# Altium PCB P01-AUDIO.PcbDoc
Units mm, origin at the board's own origin, x right, y up, seen from the top; angles counter-clockwise.
Board outline 51.05 x 97.12 mm, 4 copper layers (Top Layer, Mid Layer 1, Mid Layer 2, Bottom Layer), stack 1.57 mm thick; 42 components, 37 nets, 196 pads, 80 vias.
Unrouted connection lines stored in the file: 10.
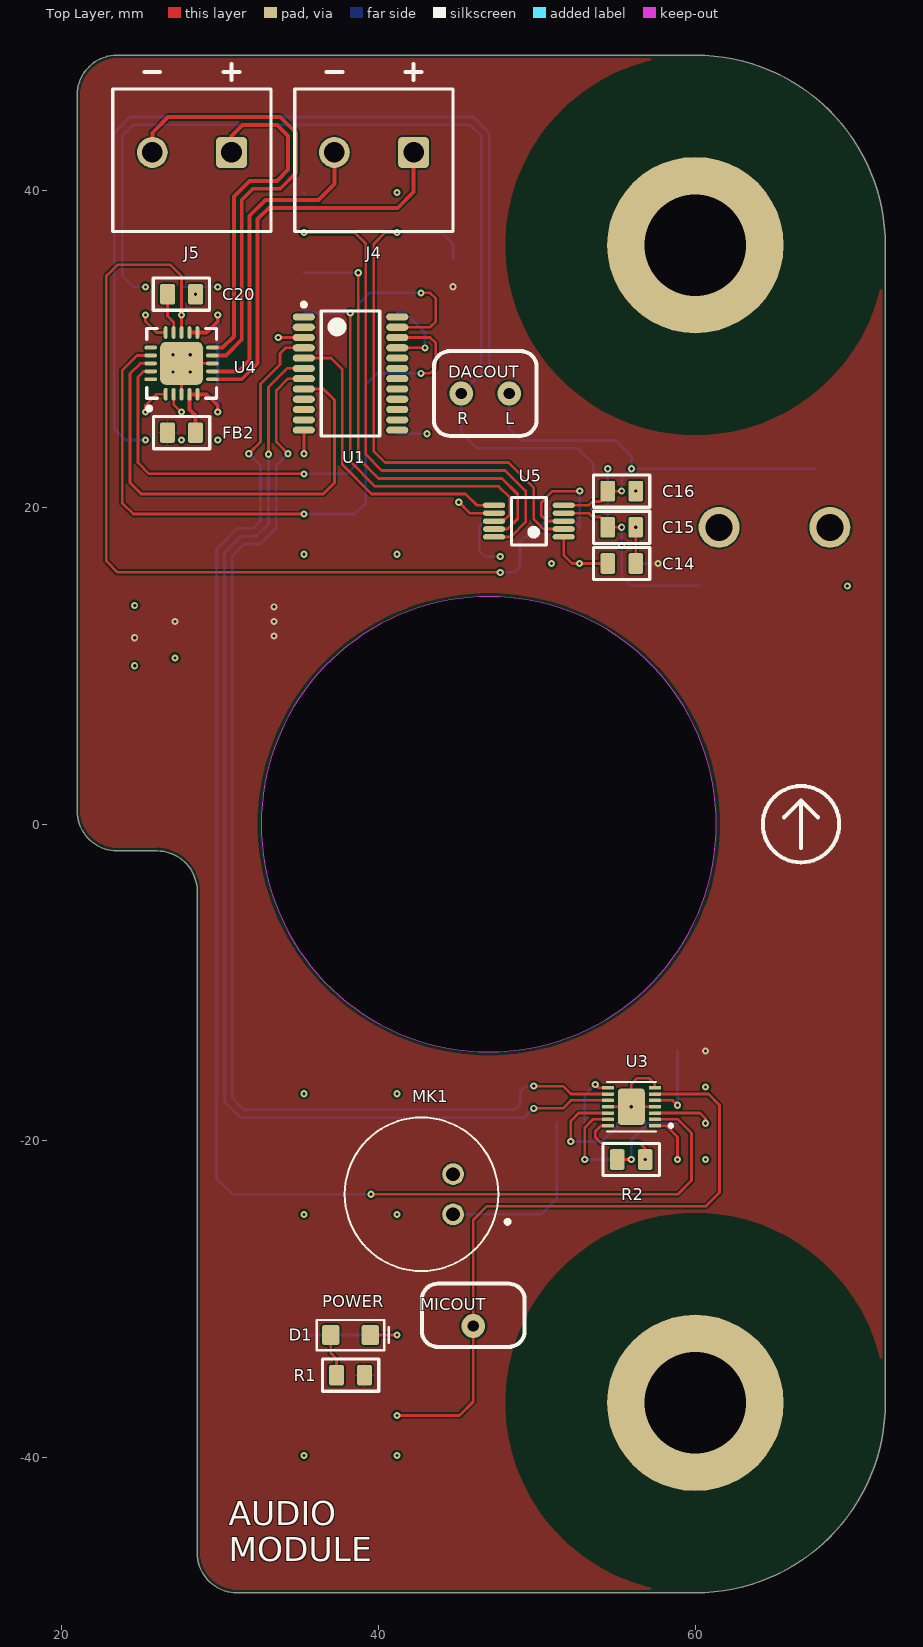
[diagram p0: Top Layer view]
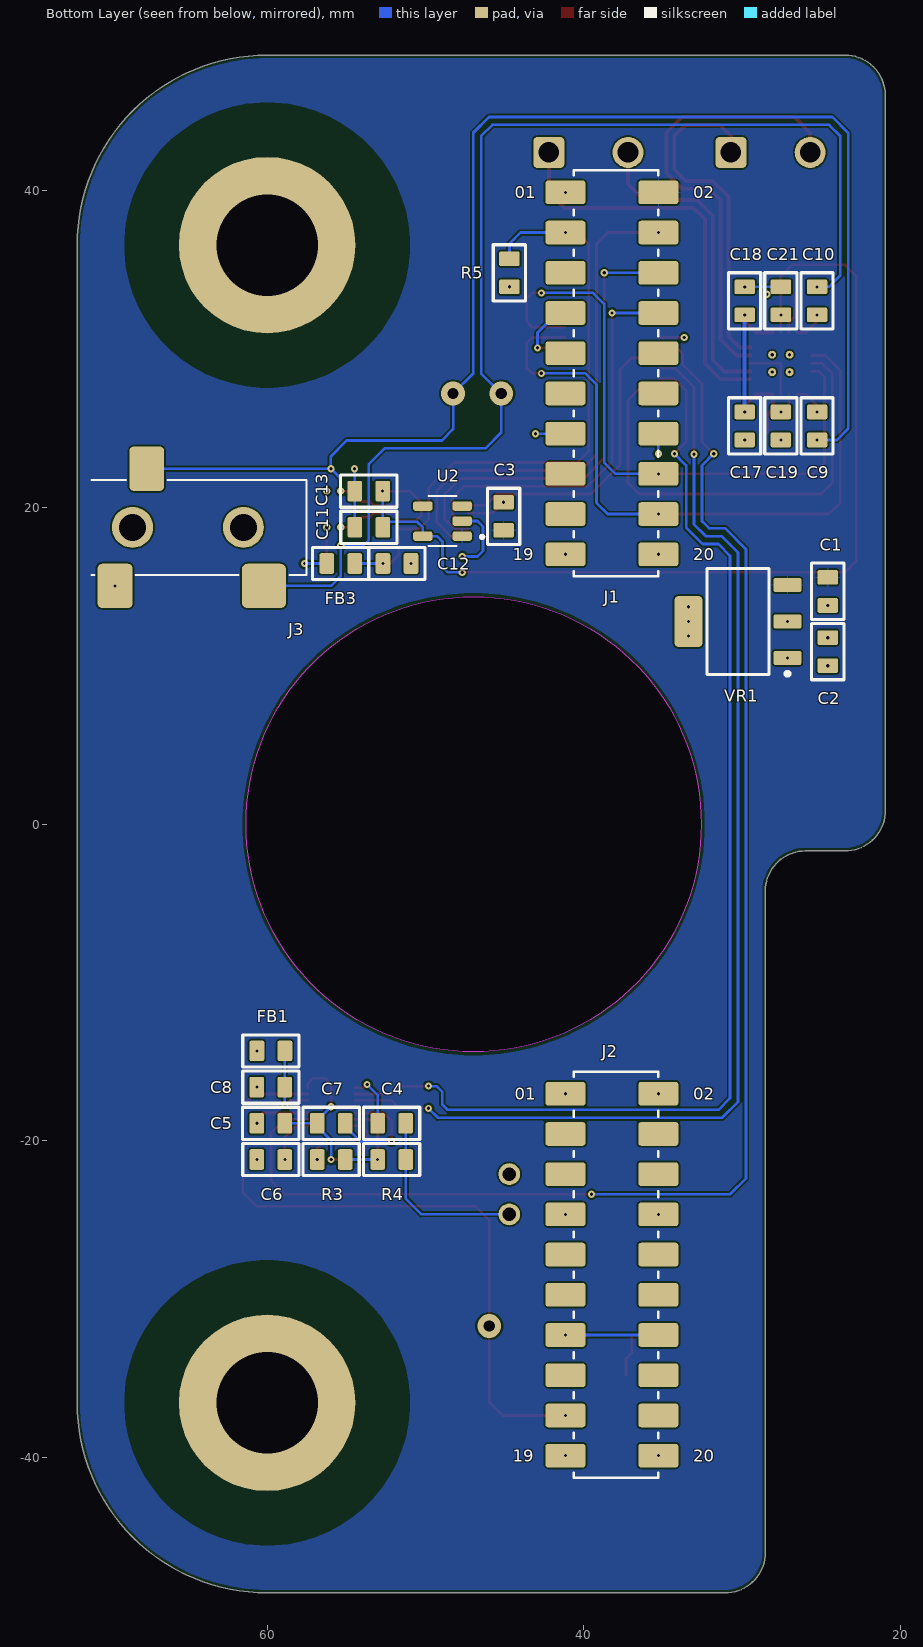
[diagram p1: Bottom Layer view, seen from below]
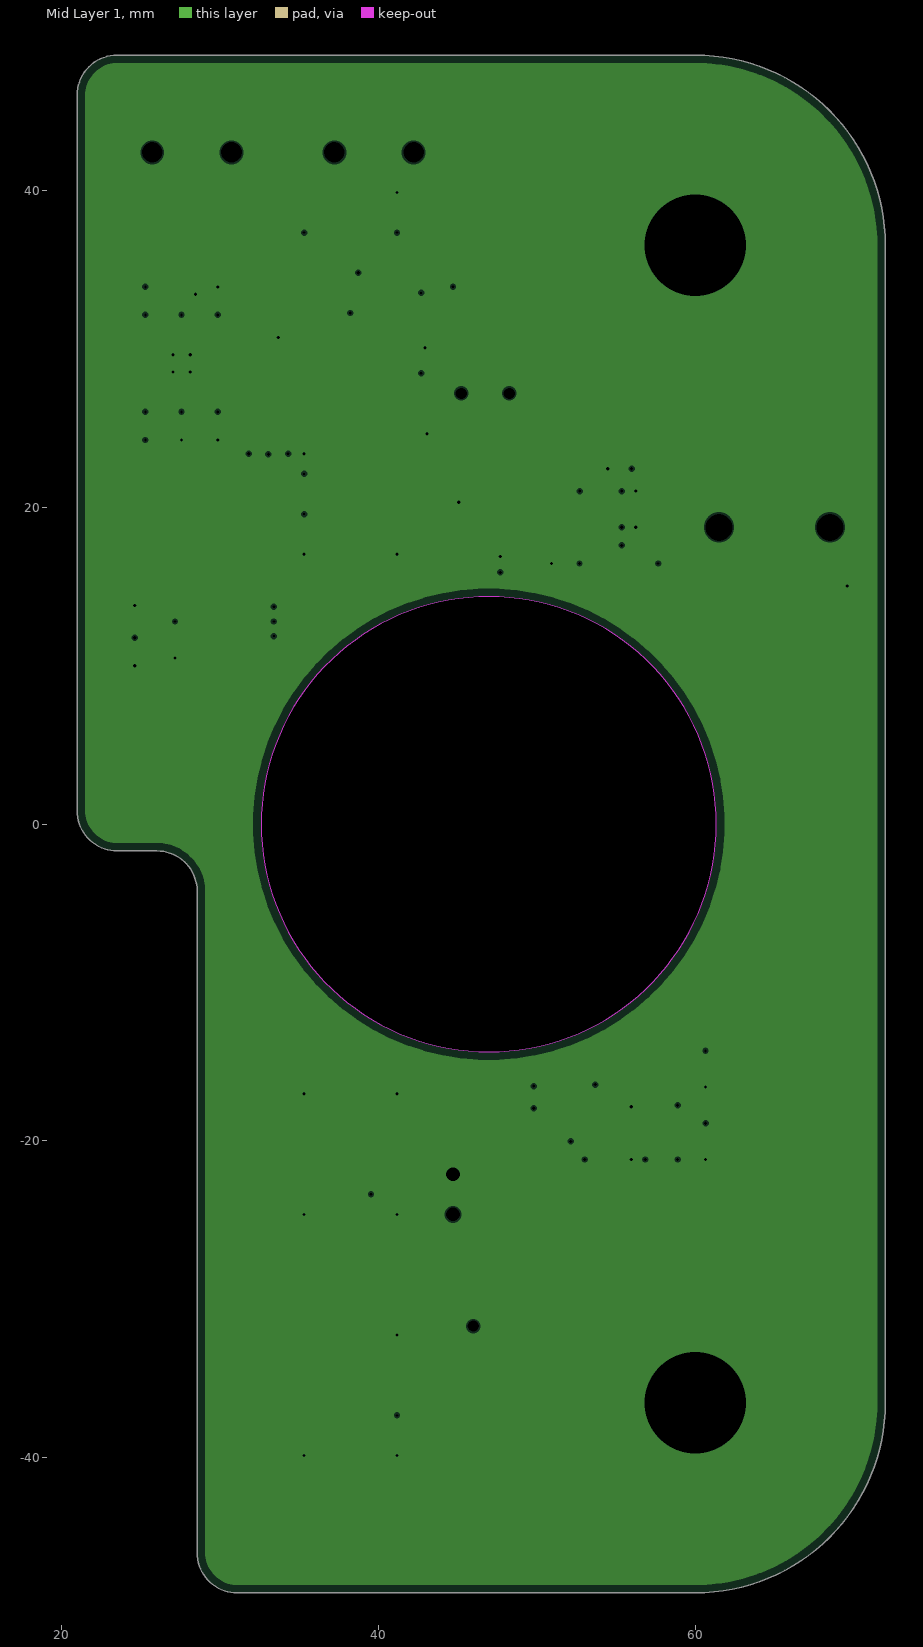
[diagram p2: Mid Layer 1, clearances drawn from the general rule]
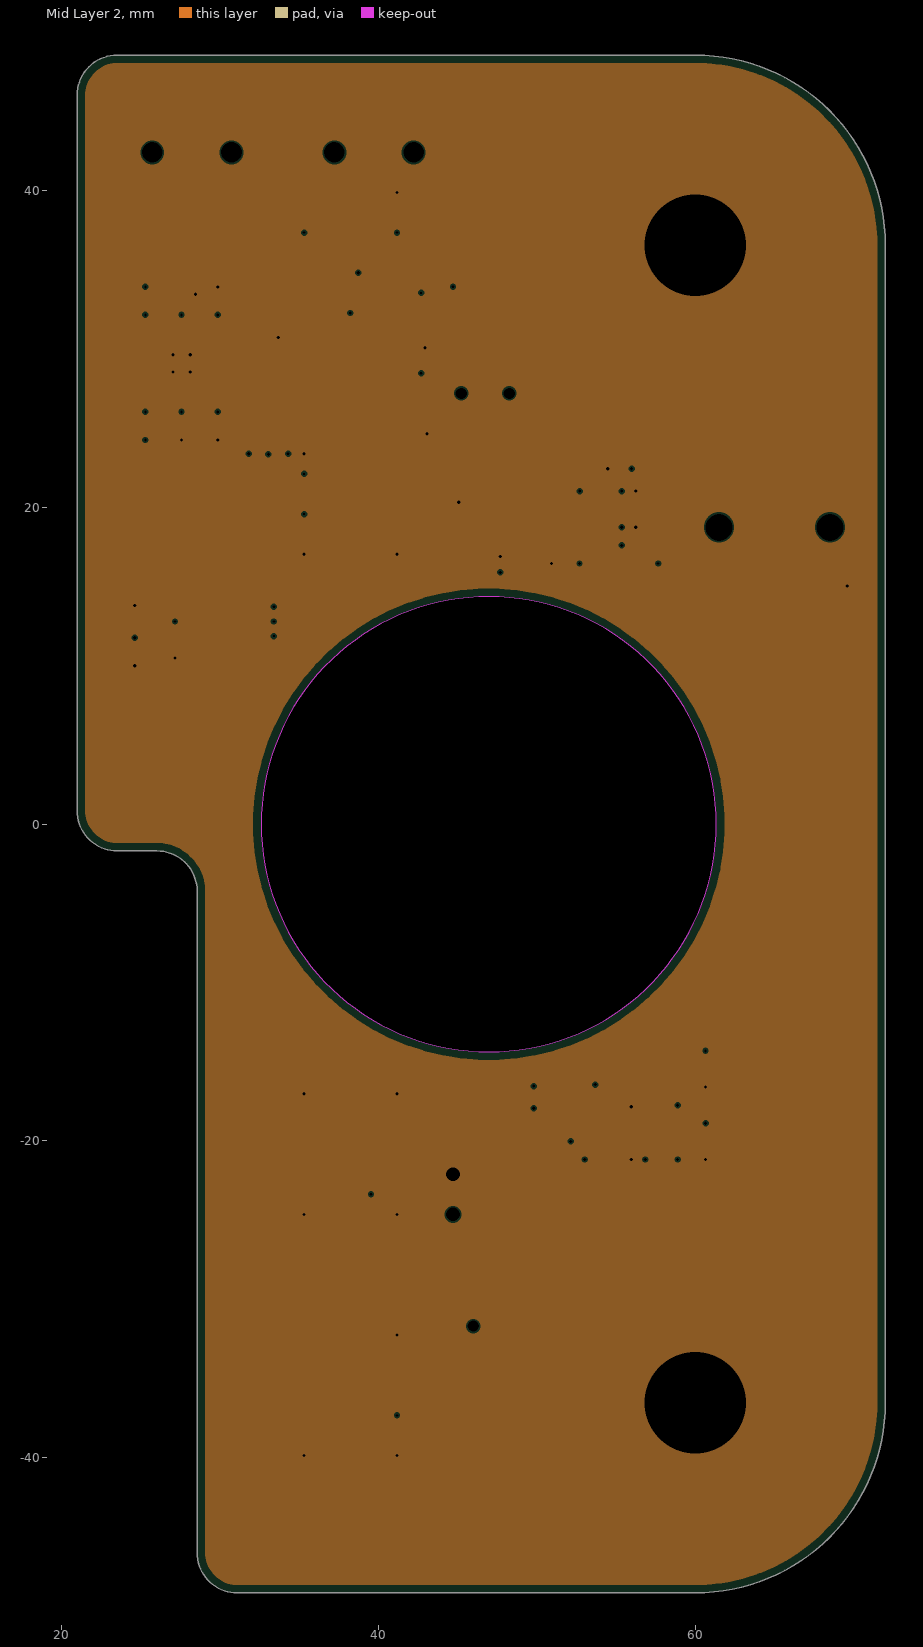
[diagram p3: Mid Layer 2, clearances drawn from the general rule]
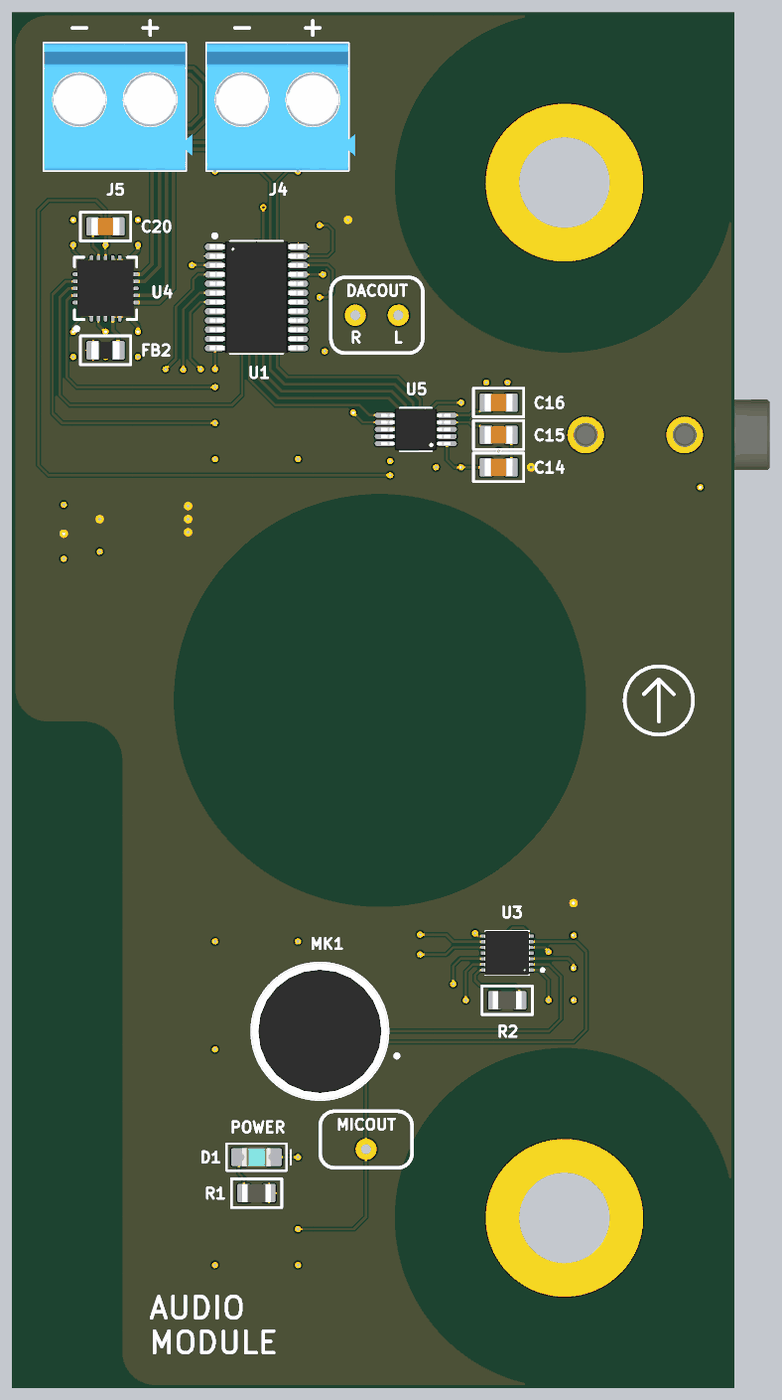
[diagram p4: 3D render of the assembled board from above, using the file's embedded part models]
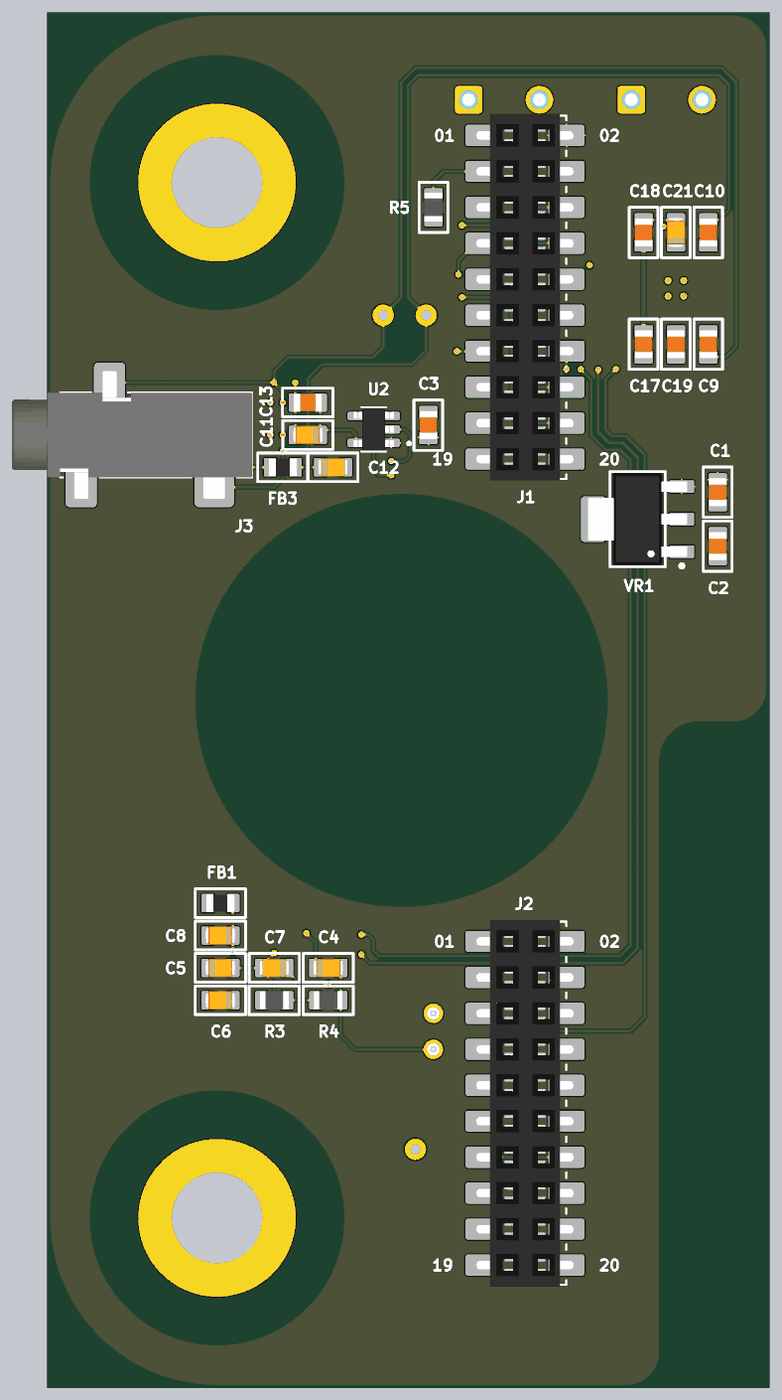
[diagram p5: 3D render of the assembled board from below, using the file's embedded part models]

## Layer stack, top to bottom
Top Solder: solder mask 0.0127, Solder Resist, Dk 3.8
Top Layer: signal copper 0.035
Dielectric 1: prepreg 0.1, 2313, Dk 4.05
Mid Layer 1: plane copper 0.0175, net GND
Core: core 1.265, FR-4, Dk 4.5
Mid Layer 2: plane copper 0.0175, net GND
Dielectric 2: prepreg 0.1, 2313, Dk 4.05
Bottom Layer: signal copper 0.035
Bottom Solder: solder mask 0.0127, Solder Resist, Dk 3.8

## Board outline
23.495,-1.699 cw(c23.495,0.841) 20.955,0.841 20.955,46.022 cw(c23.495,46.022) 23.495,48.562 60,48.562 cw(c60,36.561) 72,36.561 72,-36.561 cw(c60,-36.562) 60,-48.562 31.076,-48.562 cw(c31.076,-46.022) 28.536,-46.021 28.536,-4.239 ccw(c25.996,-4.239) 25.996,-1.699
cut-out: 32.582,-0.014 ccw(c46.957,-0.014) 46.957,-14.389 ccw(c46.957,-0.014) 61.332,-0.014 ccw(c46.957,-0.014) 46.957,14.362 ccw(c46.957,-0.014)

## Design rules (kind name [scope] priority, off if disabled: settings)
BoardOutlineClearance [All] p1: gap=0.2 ignorepadtopadclearanceinfootprint=FALSE
Clearance [All] p1: gap=0.102 ignorepadtopadclearanceinfootprint=FALSE except(0.127: Arc-Via Track-Via SMDPad-Via THPad-Via Via-Via Via-Fill Via-Poly Via-Region Via-Text; 0.25: Arc-Hole Track-Hole SMDPad-Hole THPad-Hole Via-Hole Fill-Hole Poly-Hole Region-Hole Text-Hole)
ComponentClearance [All] p1: gap=0.102 collisioncheckmode=3 verticalgap=0.102 showdistances=TRUE
DiffPairsRouting [All] p1: maxlimit=0.102 minlimit=0.102 mostfreqgap=0.102 toplayer_minwidth=0.102 toplayer_maxwidth=1816.048 toplayer_prefwidth=0.102 bottomlayer_minwidth=0.102 bottomlayer_maxwidth=1816.048 bottomlayer_prefwidth=0.102 maxuncoupledlength=12.7
Height [All] p1: minheight=0 maxheight=1816.048 prefheight=12.7
HoleSize [All] p1: absolutevalues=TRUE maxlimit=6.3 minlimit=0.2 maxpercent=80.000 minpercent=20.000
HoleToHoleClearance [All] p1: gap=0.25 allowstackedmicrovias=FALSE
MinimumAnnularRing [All] p1: minimumring=0.076
MinimumSolderMaskSliver [All] p1: minsoldermaskwidth=0
PlaneClearance [All] p1: clearance=0.102
PlaneConnect PlaneConnectPowerPads [InPadClass('PowerPads')] p1: planeconnectstyle=Direct reliefexpansion=0.508 reliefentries=4 reliefconductorwidth=0.254 reliefairgap=0.254
PlaneConnect [All] p2: pad.planeconnectstyle=Relief pad.reliefexpansion=0.3 pad.reliefentries=4 pad.reliefconductorwidth=0.102 pad.reliefairgap=0.102 via.planeconnectstyle=Direct via.reliefexpansion=0.3 via.reliefentries=4 via.reliefconductorwidth=0.127 via.reliefairgap=0.127
PolygonConnect PolygonConnectPowerPads [All vs (InPadClass('PowerPads'))] p1: connectstyle=Direct reliefconductorwidth=0.254 reliefentries=4 polygonreliefangle="90 Angle" airgapwidth=0.254
PolygonConnect [All] p2: thpad.connectstyle=Relief thpad.reliefconductorwidth=0.102 thpad.reliefentries=4 thpad.polygonreliefangle="90 Angle" thpad.airgapwidth=0.102 smdpad.connectstyle=Relief smdpad.reliefconductorwidth=0.102 smdpad.reliefentries=4 smdpad.polygonreliefangle="90 Angle" smdpad.airgapwidth=0.102 via.connectstyle=Direct via.reliefconductorwidth=0.127 via.reliefentries=4 via.polygonreliefangle="90 Angle" via.airgapwidth=0.127
RoutingVias [All] p1: holewidth=0.2 width=0.45 viastyle="Through Hole" minholewidth=0.2 minwidth=0.45 maxholewidth=6.3 maxwidth=6.55
SilkToSilkClearance [All] p1: silktosilkclearance=0
SilkToSolderMaskClearance [IsPad] p1: minsilkscreentomaskgap=0.102 clearancetoexposedcopper=TRUE
SolderMaskExpansion [All] p1: expansion=0.075 istentingtop=FALSE
Width [All] p1: maxlimit=1816.048 minlimit=0.102 preferedwidth=0.102
20 further rules are at their usual default settings.

## Classes and differential pairs
component class S04-SPEAKER: C9 C10 C11 C12 C13 C14 C15 C16 C17 C18 C19 C20 C21 FB2 FB3 J3 J4 J5 R5 U4 U5
component class S02-POWER: C1 C2 C3 D1 R1 U2 VR1
component class S03-MICROPHONE: C4 C5 C6 C7 C8 FB1 MK1 R2 R3 R4 U3
component class S01-INTERFACES: J1 J2 U1

## Components (designator, comment, footprint, x,y, rotation, side; value= is the part's Value field where it differs from the comment)
C1 "1.0UF" CL21B105KAFNFNE 24.591,14.692 r90 bottom locked
C2 "1.0UF" CL21B105KAFNFNE 24.591,10.882 r90 bottom locked
C3 "0.1UF" CL21B104KACNNNC 45.062,19.435 r270 bottom locked
C4 "0.1UF" TAJR104K035RNJ 52.135,-18.904 r0 bottom locked
C5 "2.2UF" TAJR225K020RNJ 59.763,-18.904 r0 bottom locked
C6 "0.1UF" TAJR104K035RNJ 59.763,-21.19 r180 bottom locked
C7 "0.47UF" TAJR474K020RNJ 55.953,-18.904 r180 bottom locked
C8 "2.2UF" TAJR225K020RNJ 59.763,-16.618 r180 bottom locked
C9 "1.0UF" CL21B105KAFNFNE 25.265,25.141 r90 bottom locked
C10 "1.0UF" CL21B105KAFNFNE 25.265,33.041 r270 bottom locked
C11 "10.0UF" TAJR106M006RNJ 53.579,18.738 r180 bottom locked
C12 "10.0UF" TAJR106M006RNJ 51.801,16.452 r0 bottom locked
C13 "0.1UF" CL21B104KACNNNC 53.587,21.024 r180 bottom locked
C14 "0.1UF" CL21B104KACNNNC 55.349,16.452 r180 top locked
C15 "0.1UF" CL21B104KACNNNC 55.349,18.738 r180 top locked
C16 "0.1UF" CL21B104KACNNNC 55.349,21.024 r180 top locked
C17 "10UF" CL21B106KPQNFNE 29.837,25.141 r90 bottom locked
C18 "10UF" CL21B106KPQNFNE 29.837,33.041 r270 bottom locked
C19 "1.0UF" CL21B105KAFNFNE 27.551,25.141 r90 bottom locked
C20 "1.0UF" CL21B105KAFNFNE 27.551,33.461 r180 top locked
C21 "0.1UF" TAJR104K035RNJ 27.551,33.041 r270 bottom locked
D1 "LTST-C171GKT" LTST-C171GKT 38.223,-32.274 r180 top locked
FB1 "ILBB0805ER102V" ILBB0805ER102V 59.763,-14.332 r0 bottom locked
FB2 "BLM21PG221SN1D" BLM21PG221SN1D 27.551,24.721 r0 top locked
FB3 "ILBB0805ER102V" ILBB0805ER102V 55.345,16.452 r180 bottom locked
J1 "NPTC102KFMS-RC" NPTC102KFMS-RC 38.223,28.464 r270 bottom locked
J2 "NPTC102KFMS-RC" NPTC102KFMS-RC 38.223,-28.464 r270 bottom locked
J3 "SJ-3523-SMT-TR" SJ-3523-SMT-TR 68.5,18.738 r180 bottom locked
J4 "TB001-500-02BE" TB001-500-02BE 42.205,42.414 r180 top locked
J5 "TB001-500-02BE" TB001-500-02BE 30.705,42.414 r180 top locked
MK1 "CMA-4544PF-W" CMA-4544PF-W 42.704,-23.384 r0 top locked
R1 "330R0" RC0805FR-7W330RL 38.223,-34.814 r0 top locked
R2 "100K0" RC0805FR-7W100KL 55.953,-21.19 r180 top locked
R3 "150K0" RC0805FR-07150KL 55.953,-21.19 r0 bottom locked
R4 "2K2" RC0805FR-072K2L 52.135,-21.19 r0 bottom locked
R5 "20K0" RC0805FR-074K7L 44.697,34.814 r270 bottom locked
U1 "PCA9555PW" PCA9555PW 38.223,28.451 r0 top locked
U2 "MAX6029EUK33+T" MAX6029EUK33+T 48.921,19.131 r0 bottom locked
U3 "MAX9814ETD+T" MAX9814ETD+T 55.957,-17.856 r180 top locked
U4 "TPA2016D2RTJR" TPA2016D2RTJR 27.551,29.091 r90 top locked
U5 "MCP48FVB22-E/UN" MCP48FVB22-E/UN 49.486,19.131 r180 top locked
VR1 "TLV1117LV33DCYR" TLV1117LV33DCYR 30.26,12.791 r0 bottom locked

## Footprints (in the part's own frame and the unit in brackets; to place one, negate y for a bottom-side part, rotate by r counter-clockwise, add the part's x,y. Pads: shape width x height; smd on the part's side, far side on the other; paste and mask are expansions set on the pad)
BLM21PG221SN1D [mm] "FERRITE BEAD 220 OHM 0805 1LN"
  rrect25% 0.93x1.3 smd: 1(-0.889,0) 2(0.881,0)
  silkscreen extent -1.78,-1.02 1.78,1.02, body extent -1,-0.63 1,0.63, height 1.05
CL21B104KACNNNC [mm] "CAP CER 0.1UF 25V X7R 0805"
  rrect25% 0.93x1.3 smd: 1(-0.885,0) 2(0.885,0)
  silkscreen extent -1.77,-1.02 1.78,1.02, body extent -1,-0.62 1,0.63, height 1.35
CL21B105KAFNFNE [mm] "CAP CER 1UF 25V X7R 0805"
  rrect25% 0.93x1.3 smd: 1(-0.885,0) 2(0.885,0)
  silkscreen extent -1.77,-1.02 1.78,1.02, body extent -1,-0.62 1,0.63, height 1.35
CL21B106KPQNFNE [mm] "CAP CER 10UF 10V X7R 0805"
  rrect25% 0.93x1.3 smd: 1(-0.885,0) 2(0.885,0)
  silkscreen extent -1.77,-1.02 1.78,1.02, body extent -1,-0.62 1,0.63, height 1.35
CMA-4544PF-W [mm] "MIC COND ANLG OMNI -44DB 0.382\"D"
  round 1.378 hole 0.87: N(2,1.27) P(2,-1.27)
  silkscreen extent -4.85,-4.85 5.54,4.85, body extent -4.85,-4.85 4.85,4.85, height 4.7
ILBB0805ER102V [mm] "FERRITE BEAD 1K OHM 0805 1LN"
  rrect25% 0.93x1.3 smd: 1(-0.889,0) 2(0.881,0)
  silkscreen extent -1.78,-1.02 1.78,1.02, body extent -1,-0.63 1,0.63, height 1.05
LTST-C171GKT [mm] "LED GREEN CLEAR CHIP SMD"
  rrect25% 1.1x1.25 smd: A(1.25,0) K(-1.25,0)
  silkscreen extent -2.43,-0.95 2.13,0.95, body extent -1,-0.65 1,0.65, height 0.9
MAX6029EUK33+T [mm] "IC VREF SERIES 0.15% SOT23-5"
  rrect50% 1.22x0.6 smd: 1(-1.245,0.95) 2(-1.245,0) 3(-1.245,-0.95) 4(1.245,-0.95) 5(1.245,0.95)
  silkscreen extent -2.6,-1.57 0.88,1.57, body extent -1.42,-1.5 1.42,1.5, height 1.2
MAX9814ETD+T [mm] "IC AMP CLASS AB MONO 14TDFN"
  rrect25% 0.76x0.22 smd: 1(-1.485,1.2) 2(-1.485,0.8) 3(-1.485,0.4) 4(-1.485,0) 5(-1.485,-0.4) 6(-1.485,-0.8) 7(-1.485,-1.2) 8(1.485,-1.2) 9(1.485,-0.8) 10(1.485,-0.4) 11(1.485,0) 12(1.485,0.4) 13(1.485,0.8) 14(1.485,1.2)
  rrect25% 1.7x2.3 smd paste-2: 15(0,0)
  silkscreen extent -2.6,-1.55 1.55,1.55, body extent -1.6,-1.55 1.6,1.55, height 0.81
MCP48FVB22-E/UN [mm] "IC DAC 12BIT V-OUT 10MSOP"
  oval 1.4x0.35 smd: 1(-2.2,1) 2(-2.2,0.5) 3(-2.2,0) 4(-2.2,-0.5) 5(-2.2,-1) 6(2.2,-1) 7(2.2,-0.5) 8(2.2,0) 9(2.2,0.5) 10(2.2,1)
  silkscreen extent -1.1,-1.5 1.1,1.5, body extent -2.45,-1.5 2.45,1.5, height 1.1
NPTC102KFMS-RC [mm] "CONN HDR 20POS 0.1 TIN SMD"
  rrect25% 1.5x2.54 smd: 1(-11.43,-2.934) 2(-11.43,2.934) 3(-8.89,-2.934) 4(-8.89,2.934) 5(-6.35,-2.934) 6(-6.35,2.934) 7(-3.81,-2.934) 8(-3.81,2.934) 9(-1.27,-2.934) 10(-1.27,2.934) 11(1.27,-2.934) 12(1.27,2.934) 13(3.81,-2.934) 14(3.81,2.934) 15(6.35,-2.934) 16(6.35,2.934) 17(8.89,-2.934) 18(8.89,2.934) 19(11.43,-2.934) 20(11.43,2.934)
  silkscreen extent -12.83,-2.41 12.83,2.92, body extent -12.95,-3.42 12.95,3.42, height 7.5
PCA9555PW [mm] "IC XPND 400KHZ I2C SMBUS 24TSSOP"
  oval 1.4x0.45 smd: 1(-2.95,3.575) 2(-2.95,2.925) 3(-2.95,2.275) 4(-2.95,1.625) 5(-2.95,0.975) 6(-2.95,0.325) 7(-2.95,-0.325) 8(-2.95,-0.975) 9(-2.95,-1.625) 10(-2.95,-2.275) 11(-2.95,-2.925) 12(-2.95,-3.575) 13(2.95,-3.575) 14(2.95,-2.925) 15(2.95,-2.275) 16(2.95,-1.625) 17(2.95,-0.975) 18(2.95,-0.325) 19(2.95,0.325) 20(2.95,0.975) 21(2.95,1.625) 22(2.95,2.275) 23(2.95,2.925) 24(2.95,3.575)